# Altium PCB fmuvxX-baseT1.PcbDoc (part 5 of 5)
Units mm, origin at the board's own origin, x right, y up, seen from the top; angles counter-clockwise.
Board outline 88 x 47 mm, 6 copper layers (Top Layer, Layer 2, Signal Layer 3, Signal Layer 4, Layer 5, Bottom Layer), stack 1.548 mm thick; 363 components, 295 nets, 1451 pads, 844 vias.
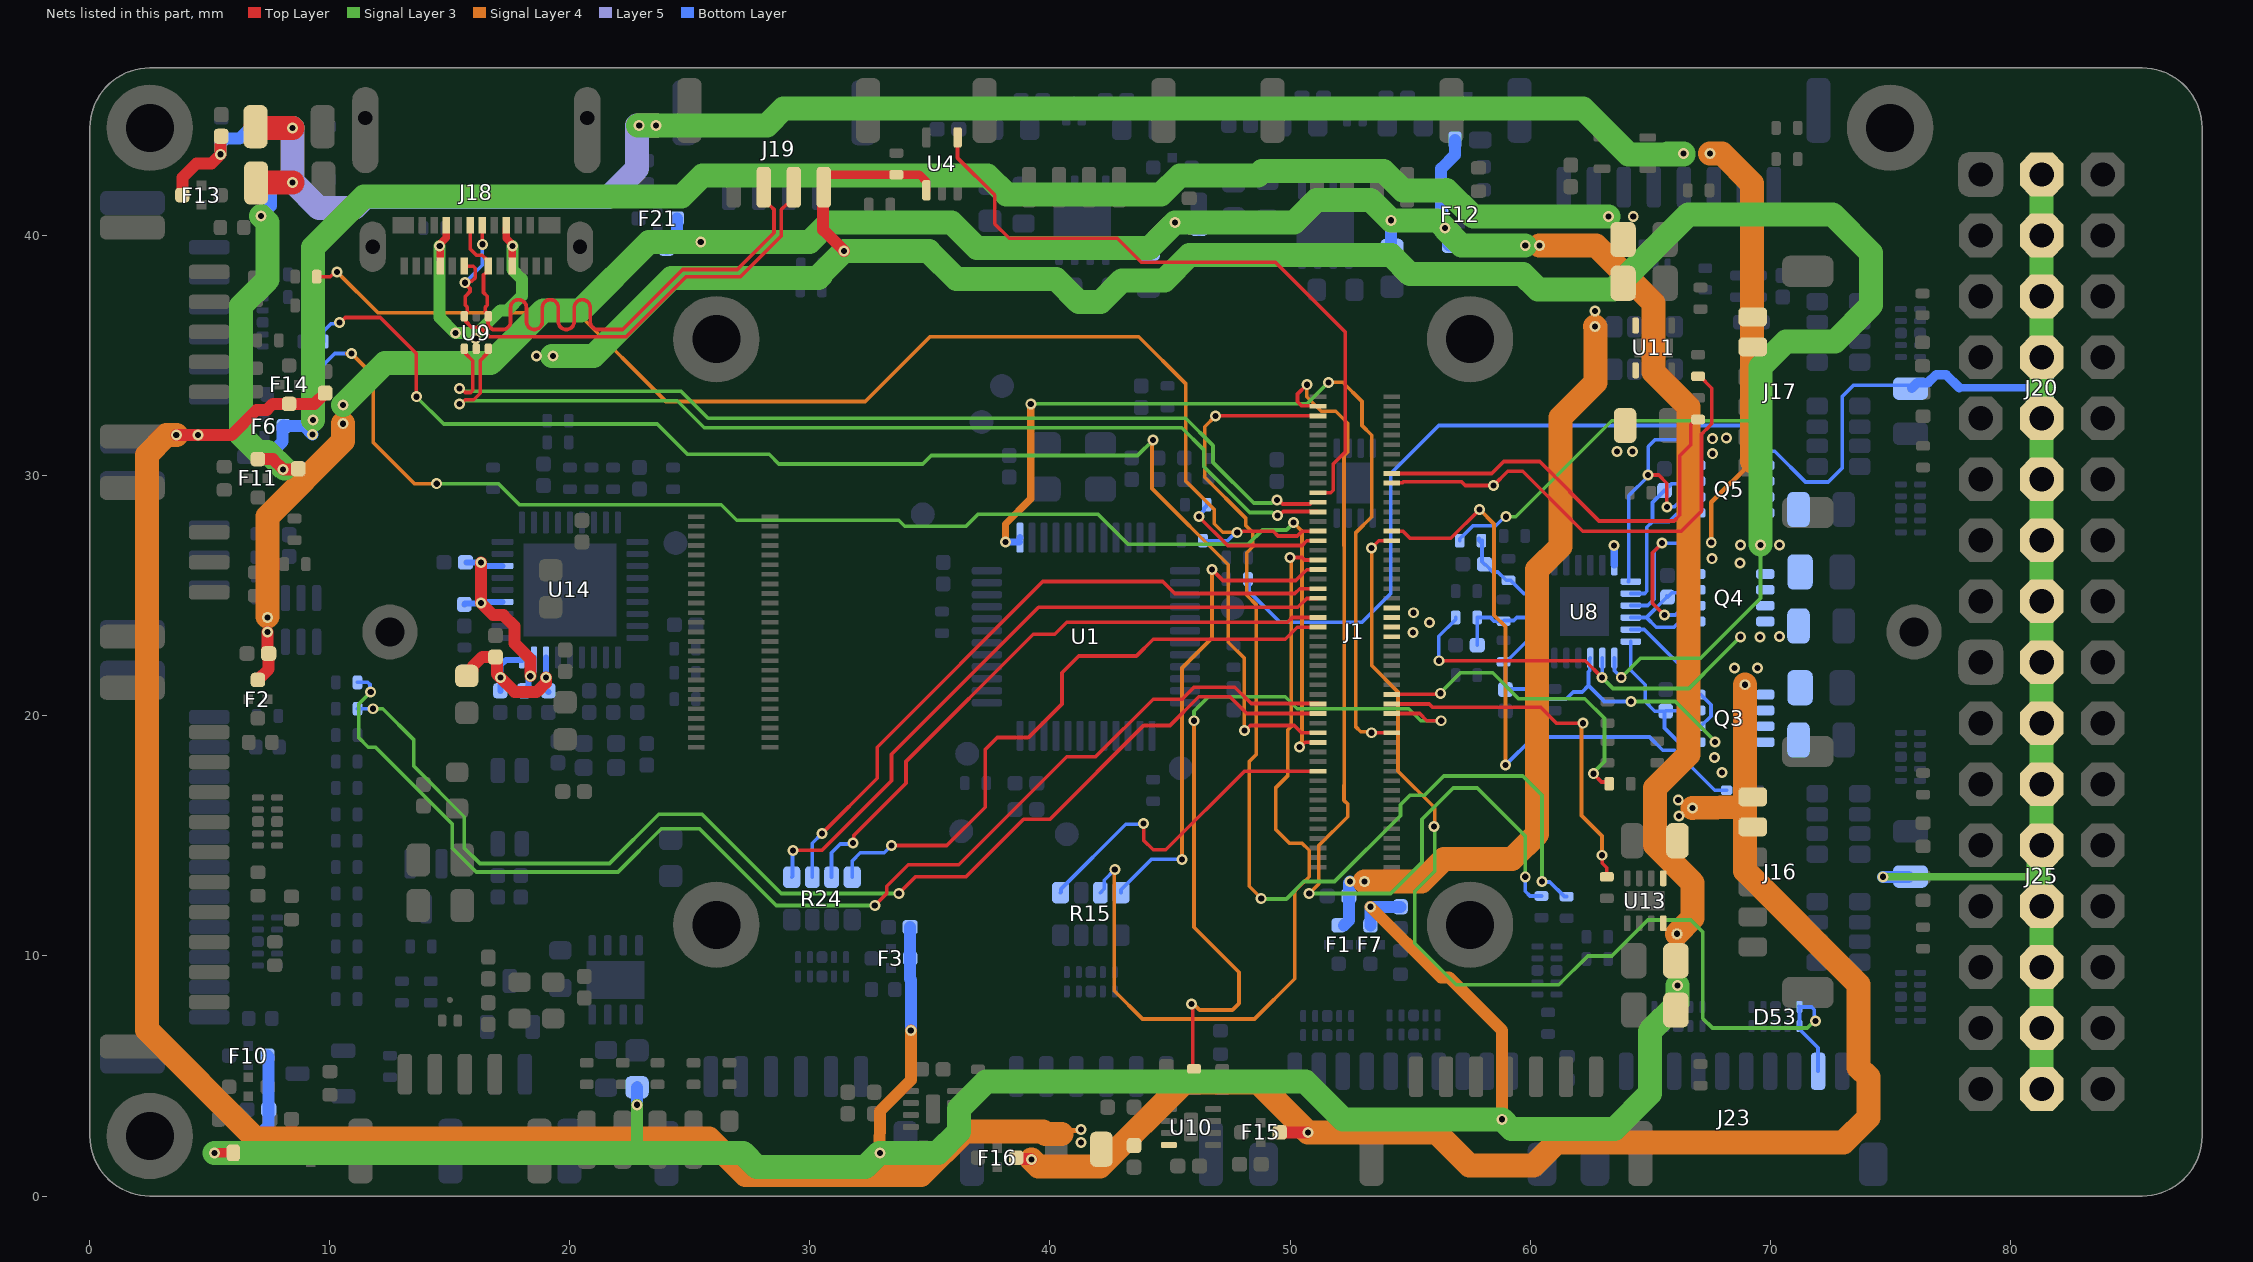
[diagram p9: the nets of this part, all layers, seen from the top]

## Via types
v1: diameter 0.457, hole 0.254, Top Layer to Bottom Layer, tented both sides, 788 vias
v2: diameter 0.65, hole 0.35, Top Layer to Bottom Layer, 56 vias

## Nets (pads, with @x,y where several pads share a name; then routed paths per layer and width w, separated by ;. In a path a pad name is that pad's centre, name@x,y a point inside that pad or via, vN(x,y) a via of type N, cw(c..) or ccw(c..) an arc to the next point about the centre after c; other vN are vias at no path point) (continued)
UART3_GPIO_RTS_TELEM1: J1.22 R15.5 | length 14.2
  Top Layer w0.152: v1(43.9,15.525) 43.9,14.825 44.3,14.425 44.825,14.425 48.1,17.7 J1.22@51.125,17.7
  Bottom Layer w0.152: R15.5@40.44,12.635 40.461,12.656 40.461,12.786 43.159,15.484 43.9,15.484 v1(43.9,15.525)
UART3_RX_TELEM1: J1.66 R15.7 | length 35
  Top Layer w0.152: v1(50,26.6) 50.5,26.6 50.6,26.5 J1.66@51.16,26.5
  Signal Layer 4 w0.152: v1(42.7,13.6) 42.675,13.575 42.675,8.55 43.85,7.375 48.525,7.375 50.2,9.05 50.2,12.7 50.8,13.3 50.8,14.4 50.5,14.7 49.975,14.7 49.4,15.275 49.4,17 49.9,17.5 49.9,19.4 50.05,19.55 v1@50.05,26.5
  Bottom Layer w0.152: R15.7@42.1,12.635 42.26,12.795 42.26,13.16 v1(42.7,13.6)
UART3_TX_TELEM1: J1.64 R15.8 | length 20.6
  Top Layer w0.152: v1(46.75,26.1) 47.207,25.643 50.243,25.643 50.696,26.096 51.156,26.096 J1.64@51.16,26.1
  Signal Layer 4 w0.152: v1(45.5,14.025) 45.5,22 46.75,23.25 v1(46.75,26.1)
  Bottom Layer w0.152: R15.8@42.96,12.635 42.96,12.76 44.225,14.025 v1(45.5,14.025)
UART4_CTS_TELEM2: J1.60 R24.6 | length 28
  Top Layer w0.152: v1(30.5,15.1) 32.8,17.4 32.8,18.7 39.7,25.6 44.7,25.6 45.2,25.1 50.2,25.1 50.4,25.3 J1.60@51.16,25.3
  Bottom Layer w0.152: R24.6@30.1,13.285 30.1,14.7 v1(30.5,15.1)
UART4_RTS_TELEM2: J1.58 R24.5 | length 28
  Top Layer w0.152: v1(29.3,14.4) 30.5,14.4 33.4,17.3 33.4,18.4 39.525,24.525 50.325,24.525 50.696,24.896 51.121,24.896 J1.58@51.125,24.9
  Bottom Layer w0.152: R24.5@29.24,13.285 29.27,13.315 29.27,14.37 v1(29.3,14.4)
UART4_RX_TELEM2: J1.54 R24.7 | length 26
  Top Layer w0.152: v1(31.8,14.7) 31.821,14.721 31.821,15.021 34,17.2 34,18.1 39.3,23.4 40.2,23.4 40.7,23.9 49.9,23.9 50.1,24.1 J1.54@51.16,24.1
  Bottom Layer w0.152: R24.7@30.9,13.285 30.9,14.3 31.267,14.667 31.767,14.667 v1(31.8,14.7)
UART4_TX_TELEM2: J1.52 R24.8 | length 26.3
  Top Layer w0.152: v1(33.4,14.6) 35.7,14.6 37.3,16.2 37.3,18.6 37.8,19.1 39.1,19.1 40.5,20.5 40.5,21.8 41.2,22.5 43.6,22.5 44.3,23.2 49.8,23.2 50.3,23.7 J1.52@51.16,23.7
  Bottom Layer w0.152: R24.8@31.76,13.285 31.76,13.96 32.1,14.3 33.1,14.3 v1(33.4,14.6)
UART5_RX: J1.96 R33.1 | length 45.3
  Top Layer w0.152: v1(46.9,32.5) J1.96@51.16,32.5
  Signal Layer 3 w0.152: v1(48.8,12.4) 48.825,12.375 49.849,12.375 50.574,13.1 51.857,13.1 54.6,15.843 54.6,16.3 55,16.7 55.6,16.7 56.4,17.5 59.7,17.5 60.5,16.7 v1(60.5,13.1)
  Signal Layer 4 w0.152: v1(46.9,32.5) 46.45,32.05 46.45,29.95 48.15,28.25 48.15,27.95 48.45,27.65 48.45,27.05 48.2,26.8 48.2,25.025 48.6,24.625 48.6,18.4 48.3,18.1 48.3,12.9 v1(48.8,12.4)
  Bottom Layer w0.152: v1(60.5,13.1) 60.516,13.084 60.826,13.084 61.435,12.475 R33.1@61.525,12.475
UART5_TX: J1.98 R32.1 | length 40.6
  Top Layer w0.152: v1(50.7,33.8) 50.312,33.412 50.312,33.088 50.476,32.924 51.136,32.924 J1.98@51.16,32.9
  Signal Layer 3 w0.152: v1(50.8,12.6) 54.2,12.6 55.5,13.9 55.5,15.7 56.8,17 57.8,17 59.8,15 v1(59.8,13.3)
  Signal Layer 4 w0.152: v1(50.7,33.8) 50.7,33.3 51.3,32.7 51.9,32.7 52.4,32.2 52.4,31 52.249,30.849 52.249,27.094 52.255,27.088 52.255,17.112 52.249,17.106 52.249,16.481 52.4,16.33 52.4,15.8 51.2,14.6 51.2,13 v1(50.8,12.6)
  Bottom Layer w0.152: v1(59.8,13.3) 59.8,12.7 60,12.5 R32.1@60.475,12.5
UART7_RX_DEBUG: D52.A J1.71 | length 26
  Top Layer w0.152: J1.71@54.24,27.7 54.244,27.696 54.704,27.696 55,27.4 56.7,27.4 v1(57.9,28.6)
  Signal Layer 4 w0.152: v1(57.9,28.6) 58.5,28 58.5,24.2 58.975,23.725 v1(58.975,17.955)
  Bottom Layer w0.152: v1(58.975,17.955) 58.98,17.955 60.15,19.125 64.975,19.125 65.525,18.575 66.025,18.575 67.695,16.905 D52.A@68.188,16.905
UART7_TX_DEBUG: D53.5 D53.6 J1.69 J23.2 | length 45.7
  Top Layer w0.152: v1(53.4,27) 53.7,27.3 J1.69@54.24,27.3
  Signal Layer 3 w0.152: v1(56,15.4) 56.025,15.375 56.025,13.525 55.2,12.7 55.2,10.528 56.928,8.8 61.2,8.8 62.4,10 63.4,10 64.9,11.5 66.7,11.5 67.2,11 67.2,7.4 67.6,7 71.553,7 71.853,7.3 v1(71.9,7.299)
  Signal Layer 4 w0.152: v1(53.4,27) 53.4,22.1 54.5,21 54.5,17.7 56.025,16.175 56.025,15.425 v1(56,15.4)
  Bottom Layer w0.152: D53.6@71.2,7.1 71.2,6.975 72,6.175 J23.2@72,5.197 ; D53.5@71.2,7.9 D53.5@71.225,7.875 ; D53.6@71.225,7.075 D53.5@71.225,7.875 ; v1(71.9,7.299) 71.844,7.356 71.844,7.756 71.8,7.8 71.725,7.875 D53.5@71.225,7.875
UART8_RX_GPS2: J1.30 R29.1 | length 56.2
  Top Layer w0.152: v1(10.4,36.4) 10.442,36.4 10.642,36.6 12.1,36.6 13.6,35.1 v1(13.6,33.3) ; v1(48.1,19.4) 48.142,19.4 48.342,19.6 50.175,19.6 50.475,19.3 J1.30@51.16,19.3
  Signal Layer 3 w0.152: v1(13.6,33.3) 14.739,32.161 23.639,32.161 24.9,30.9 28.3,30.9 28.7,30.5 34.7,30.5 35.05,30.85 43.65,30.85 v1(44.3,31.5)
  Signal Layer 4 w0.152: v1(44.3,31.5) 44.25,31.45 44.25,29.475 47.425,26.3 47.425,23.075 48.1,22.4 v1(48.1,19.4)
  Bottom Layer w0.152: R29.1@9.75,35.6 9.75,36.05 10.042,36.342 10.342,36.342 v1(10.4,36.4)
UART8_TX_GPS2: J1.28 R28.1 | length 57.3
  Top Layer w0.152: v1(50.4,18.7) 50.43,18.7 50.63,18.9 J1.28@51.16,18.9
  Signal Layer 3 w0.152: v1(14.45,29.675) 17.025,29.675 17.9,28.8 20.697,28.8 20.7,28.798 26.302,28.798 26.95,28.15 33.7,28.15 33.95,27.9 36.5,27.9 37,28.4 42,28.4 43.25,27.15 48.25,27.15 48.85,27.75 49.85,27.75 50.143,28.043 v1(50.143,28.06)
  Signal Layer 4 w0.152: v1@10.7,35.1 v1@10.8,35 ; v1(10.9,35.1) 11.8,34.2 11.8,31.4 13.525,29.675 v1(14.45,29.675) ; v1(50.143,28.06) 50.15,28.052 50.15,28.05 50.5,27.7 50.5,18.942 50.458,18.9 50.458,18.758 v1(50.4,18.7)
  Bottom Layer w0.152: R28.1@9.189,34.561 R28.1@9.15,34.6 9.6,34.6 9.7,34.6 10.2,35.1 v1@10.7,35.1
USART1_RX_GPS1: J1.34 R17.1 | length 50
  Top Layer w0.152: v1(33.7,12.6) 34.4,13.3 36.5,13.3 38.9,15.7 40,15.7 43.9,19.6 45,19.6 46.198,20.798 47.502,20.798 48.2,20.1 51.11,20.1 51.135,20.125 J1.34@51.16,20.1
  Signal Layer 3 w0.152: v1(11.8,20.3) 12.2,20.3 13.5,19 13.5,17.9 15.6,15.8 15.6,14.5 16.25,13.85 21.65,13.85 23.7,15.9 25.5,15.9 28.8,12.6 v1(33.7,12.6)
  Bottom Layer w0.152: R17.1@11.15,20.3 v1(11.8,20.3)
USART1_TX_GPS1: J1.36 R16.1 | length 52.2
  Top Layer w0.152: v1(32.7,12.1) 33.2,12.6 33.2,12.9 34.1,13.8 36.2,13.8 40.7,18.3 41.9,18.3 44.3,20.7 45.5,20.7 46,21.2 47.7,21.2 48.382,20.518 51.142,20.518 J1.36@51.16,20.5
  Signal Layer 3 w0.152: v1(11.7,21) 11.2,20.5 11.2,19.1 11.6,18.7 11.9,18.7 15.1,15.5 15.1,14.5 16.1,13.5 22,13.5 23.8,15.3 25.4,15.3 28.6,12.1 v1(32.7,12.1)
  Bottom Layer w0.152: R16.1@11.15,21.4 11.579,21.4 11.668,21.311 11.668,21.032 v1(11.7,21)
USART6_RX_FROM_IO__NC: J1.70 R5.2 | length 6.2
  Top Layer w0.152: v1(46.202,28.301) 47.404,27.1 50.5,27.1 50.696,27.296 51.146,27.296 J1.70@51.15,27.3
  Bottom Layer w0.152: v1(46.202,28.301) 46.202,28.344 46.416,28.558 46.416,28.641 R5.2@46.525,28.75 ; R5.2@46.525,28.8 R5.2@46.525,28.877
USART6_TX_FROM_IO__RC_INPUT: J1.72 R6.2 R59.1 | length 53
  Top Layer w0.152: R59.1@9.45,38.3 10.018,38.3 10.218,38.5 v1(10.3,38.5) ; v1(47.8,27.65) 47.846,27.696 49.304,27.696 49.5,27.5 50.3,27.5 50.5,27.7 J1.72@51.15,27.7
  Signal Layer 4 w0.152: v1(10.3,38.5) 12,36.8 20.3,36.8 24,33.1 32.3,33.1 35,35.8 43.7,35.8 45.65,33.85 45.65,29.8 46.845,28.605 46.845,28.005 47.2,27.65 v1(47.8,27.65)
  Bottom Layer w0.152: R6.2@46.375,27.377 46.452,27.3 47.396,27.3 47.746,27.65 v1(47.8,27.65)
USB_D_N: J1.78 U9.4 | length 40.8
  Top Layer w0.155: v1(15.4,33.65) 15.47,33.65 15.642,33.479 15.863,33.479 15.954,33.569 15.954,34.796 15.671,35.079 15.671,35.229 U9.4@15.6,35.3 ; v1(49.45,29) 49.52,29 49.692,28.828 50.838,28.828 50.91,28.9 J1.78@51.16,28.9
  Signal Layer 3 w0.152: v1(15.4,33.65) 15.482,33.65 15.611,33.522 24.635,33.522 25.757,32.4 45.657,32.4 46.794,31.263 46.794,30.563 48.485,28.872 49.239,28.872 49.368,29 v1(49.45,29)
USB_D_P: J1.76 U9.6 | length 41.3
  Top Layer w0.155: v1(15.4,33) 15.47,33 15.642,33.172 15.99,33.172 16.261,33.442 16.261,34.811 16.529,35.079 16.529,35.229 U9.6@16.6,35.3 ; v1(49.475,28.35) 49.545,28.35 49.717,28.521 51.125,28.521 J1.76@51.153,28.493
  Signal Layer 3 w0.152: v1(15.4,33) 15.482,33 15.611,33.128 24.472,33.128 25.594,32.006 45.494,32.006 46.4,31.1 46.4,30.4 48.322,28.478 49.264,28.478 49.393,28.35 v1(49.475,28.35)
USB_N: J18.A7 J18.B7 J19.2 U9.3 | length 23.3
  Top Layer w0.155: U9.3@15.6,36.6 15.671,36.529 15.671,36.429 15.902,36.198 16.247,36.198 16.652,35.793 17.79,35.793 21.913,35.793 22.327,35.793 24.827,38.293 27.1,38.293 28.807,40 28.807,41.094 29.01,41.297 29.108,41.297 29.325,41.514 J19.2@29.325,42.025 ; U9.3@15.6,36.65 15.6,36.726 15.723,36.849 15.723,37.032 15.644,37.111 15.644,37.489 15.835,37.68 15.835,37.808 15.625,38.018 v1(15.625,38.05) 15.683,38.108 15.908,38.108 16.051,38.251 16.051,38.649 15.96,38.74 J18.A7@15.6,38.74 ; v1@16.3,39.7 16.35,39.75 J18.B7@16.35,40.44
  Bottom Layer w0.155: v1(15.625,38.05) 16.35,38.775 v1(16.35,39.65)
USB_P: J18.A6 J18.B6 J19.3 U9.1 | length 26.1
  Top Layer w0.155: J18.B6@15.85,40.44 15.85,39.45 16.106,39.194 16.346,39.194 16.54,39 J18.A6@16.6,39 ; J18.A6@16.6,38.74 16.6,38.54 16.527,38.467 16.491,38.467 16.4,38.377 16.4,37.645 16.556,37.489 16.556,37.111 16.477,37.032 16.477,36.849 16.6,36.726 U9.1@16.6,36.65 16.588,36.638 16.588,36.291 16.621,36.258 16.779,36.1 17.195,36.1 ccw(c17.195,36.431) 17.526,36.431 17.526,37.012 cw(c17.858,37.012) 18.189,37.012 18.189,36.431 ccw(c18.521,36.431) 18.852,36.431 18.852,37.012 cw(c19.184,37.012) 19.515,37.012 19.515,36.431 ccw(c19.847,36.431) 20.178,36.431 20.178,37.012 cw(c20.51,37.012) 20.841,37.012 20.841,36.431 ccw(c21.173,36.431) 21.173,36.1 21.913,36.1 22.2,36.1 24.7,38.6 26.973,38.6 28.5,40.127 28.5,41.1 28.347,41.253 28.337,41.253 28.075,41.514 J19.3@28.075,42.025
UV1: C39.1 R65.2 R69.1 U8.1 | length 4.1
  Bottom Layer w0.152: R69.1@58.9,22.25 58.903,22.25 58.975,22.178 C39.1@58.975,21.1 59,21.125 R65.2@60.125,21.125 ; R69.1@58.925,22.275 59.025,22.275 59.819,23.069 60.299,23.069 U8.1@60.33,23.1
UV2: C40.1 R66.2 R70.1 U8.3 | length 3.8
  Bottom Layer w0.152: C40.1@57.8,22.95 R66.2@57.8,24.1 58.35,24.1 58.5,23.95 R70.1@58.9,23.95 ; R70.1@58.925,23.975 59.325,23.975 59.45,24.1 U8.3@60.33,24.1
UV3: C41.1 R67.2 R71.1 U8.5 | length 4
  Bottom Layer w0.152: R67.2@57.875,27.4 57.875,27.3 R67.2@57.975,27.2 ; R67.2@58,27.325 58,26.425 C41.1@58.1,26.325 ; C41.1@58.125,26.3 58.15,26.3 58.45,26 58.66,26 59.01,25.65 R71.1@59.1,25.65 59.19,25.65 59.74,25.1 U8.5@60.33,25.1 U8.5@60.35,25.1
V_RTC_BAT: J1.29 U1.1 | length 36.9
  Top Layer w0.152: v1(53.4,19.3) J1.29@54.24,19.3
  Signal Layer 3 w0.152: v1(39.2,33) 50.7,33 v1(51.6,33.9)
  Signal Layer 4 w0.152: v1(51.6,33.9) 52.2,33.9 53,33.1 53,32.1 53.4,31.7 53.4,28.3 52.745,27.645 52.745,19.537 52.943,19.34 53.36,19.34 v1(53.4,19.3)
  Signal Layer 4 w0.3: v1(38.15,27.25) 38.15,28 39.2,29.05 v1(39.2,33)
  Bottom Layer w0.3: v1(38.15,27.25) U1.1@38.725,27.25 ; U1.1@38.75,27.43 U1.1@38.753,27.428
VBUS: C37.1 J18.A4 J18.A9 J18.B4 J18.B9 J19.1 Q5.7 Q5.8 R46.1 R67.1 U4.1 U8.19 U9.5 | length 121.3
  Top Layer w0.152: U9.5@16.1,35.3 16.087,35.312 16.087,35.687 v1@16.1,35.7
  Top Layer w0.3: J18.A9@14.6,39 14.6,39.675 14.85,39.925 J18.B4@14.85,40.3 ; J18.B9@17.35,40.3 17.35,39.9 17.6,39.65 v1(17.6,39.575) J18.A4@17.6,39.05
  Top Layer w0.35: J19.1@30.6,42.4 30.6,42.45 30.7,42.55 R46.1@33.6,42.55 34.557,42.55 34.85,42.257 U4.1@34.85,41.9
  Top Layer w0.5: J19.1@30.55,41.525 30.55,40.25 v1(31.425,39.375)
  Signal Layer 3 w0.152: v1(59,28.3) 59.4,28.3 63.4,32.3 69.6,32.3 ; v1(63.8,21.6) 64.6,22.4 67.1,22.4 69.6,24.9 v1@69.6,27.1
  Signal Layer 3 w0.5: v1(14.575,39.575) 14.575,36.6 v1(15.225,35.95) v1@16.075,35.95 ; 16.15,35.95 17.1,36.9 17.4,36.9 18,37.5 18,38.2 17.6,38.6 v1(17.6,39.575)
  Signal Layer 3 w1: v1@19.262,35 20.975,35 24.225,38.25 30.3,38.25 ; 30.45,38.35 30.35,38.25 30.3,38.25 ; 34.95,39.35 36.1,38.2 40.25,38.2 41.2,37.25 42.1,37.25 43,38.15 44.773,38.15 45.82,39.197 54.203,39.197 54.998,38.402 59.698,38.402 60.325,37.775 63.475,37.775 66.6,40.9 72.6,40.9 74.211,39.289 74.211,37.111 72.7,35.6 70.671,35.6 69.609,34.538 69.609,32.3 v1@69.609,27.134 ; 34.95,39.375 v1(31.425,39.375) 30.3,38.25
  Bottom Layer w0.152: R67.1@57.075,27.3 57.075,27.377 57.212,27.514 57.214,27.514 57.625,27.925 58.574,27.925 58.949,28.3 v1(59,28.3) ; U8.19@63.515,22.415 63.521,22.409 63.521,21.879 v1(63.8,21.6)
  other v1: 68.774,27.125 69.6,27.125 70.4,27.125 18.6,35 19.3,35 16.075,35.725
VBUS_SENSE: J1.80 U4.4 | length 28.2
  Top Layer w0.152: U4.4@36.15,44.1 36.15,43.25 37.7,41.7 37.7,40.5 38.3,39.9 42.8,39.9 43.8,38.9 49.4,38.9 52.3,36 52.3,31 51.8,30.5 51.8,29.4 51.7,29.3 J1.80@51.16,29.3
VDD_3V3_SPEKTRUM: C30.1 C45.1 C46.1 F14.1 U10.8 | length 74.7
  Top Layer w0.5: v1(3.6,31.7) v1(4.5,31.7) 5.9,31.7 6.95,32.75 7.375,32.75 7.625,33 F14.1@8.3,33 9.36,33 9.81,33.45 C30.1@9.8,33.45
  Signal Layer 4 w0.2: 40.475,2.575 40.625,2.725 v1@41.3,2.725
  Signal Layer 4 w1: v1(3.6,31.7) 3.2,31.7 2.375,30.875 2.375,6.925 6.9,2.4 25.8,2.4 27.319,0.881 34.631,0.881 36.427,2.677 39.702,2.677 39.805,2.575 40.475,2.575
  other v1: 41.3,2.225 41.3,2.775
VDD_3V3_SPEKTRUM_POWER_EN: J1.33 R76.1 | length 31
  Top Layer w0.152: v1(45.9,8) 45.95,7.95 45.95,5.35 R76.1@46,5.3 ; J1.33@54.24,20.1 55.4,20.1 55.7,19.8 v1(56.3,19.8)
  Signal Layer 3 w0.152: v1(46,19.8) 46,20.2 46.6,20.8 49.8,20.8 50.3,20.3 54.943,20.3 55.443,19.8 v1(56.3,19.8)
  Signal Layer 4 w0.152: v1(45.9,8) 45.982,8 46.232,7.75 47.6,7.75 47.875,8.025 47.875,9.325 46,11.2 v1(46,19.8)
VDD_5V_BRICK1: C31.1 J16.1 J16.2 Q3.7 Q3.8 R65.1 U8.21 | length 10.2
  Signal Layer 3 w0.152: v1(64.2,20.6) 66.05,20.6 v1@67.675,18.975
  Bottom Layer w0.152: R65.1@60.075,20.225 60.549,20.699 61.499,20.699 61.8,21 62.171,21 62.436,21.264 ; U8.21@62.515,22.415 62.492,22.392 62.492,21.896 62.436,21.839 62.436,21.264 ; v1(64.2,20.6) 63.1,20.6 62.436,21.264
  other v1: 68.004,17.645 67.679,18.27 67.704,18.92
VDD_5V_BRICK2: C35.1 J17.1 J17.2 Q4.7 Q4.8 R66.1 U8.20 | length 17
  Top Layer w0.152: v1(56.2,22.3) 62.3,22.3 v1(63,21.6)
  Signal Layer 3 w0.152: v1(63,21.6) 63.455,21.145 66.618,21.145 67.886,22.414 v1@68.773,23.3
  Bottom Layer w0.152: v1(56.2,22.3) 56.2,23.323 56.9,24.023 R66.1@56.9,24.1 ; v1(63,21.6) v1@63,21.65 ; v1@63.015,21.51 U8.20@63.015,22.415
  other v1: 68.774,23.299 69.572,23.288 70.4,23.304
VDD_5V_HIPOWER: C10.1 C15.1 C50.1 C51.1 F1.1 F6.1 U11.8 | length 99
  Signal Layer 3 w1: v1(9.3,32.325) 9.3,39.516 11.426,41.642 24.642,41.642 25.52,42.52 37.4,42.52 38.187,41.733 44.633,41.733 45.42,42.52 48.663,42.52 48.843,42.7 53.9,42.7 54.7,41.9 56.5,41.9 ; 56.519,41.919 57.638,40.8 v1(63.275,40.8)
  Signal Layer 4 w1: v1(53.1,13.1) 55.475,13.1 56.413,14.038 59.248,14.038 60.3,15.09 60.3,26.1 61.263,27.063 61.263,32.438 62.725,33.9 62.725,36.205 v1(62.703,36.227)
  Bottom Layer w0.5: C15.1@7.35,30.8 7.4,30.8 8.025,31.425 8.025,32.05 F6.1@8.075,32.1 ; F6.1@8.075,32.075 8.925,32.075 v1(9.275,31.725) ; F1.1@52.25,11.275 52.45,11.475 C10.1@52.45,12.5 52.45,13.05 v1(52.5,13.1)
  other v1: 62.7,36.875 64.3,40.8
VDD_5V_HIPOWER_nEN: J1.81 R80.2 | length 20.7
  Top Layer w0.152: J1.81@54.24,29.7 54.259,29.719 54.69,29.719 54.721,29.75 57.15,29.75 57.3,29.6 v1(58.475,29.6) 59.075,30.2 59.7,30.2 62.2,27.7 66.3,27.7 67.143,28.543 67.143,31.739 67.325,31.921 67.326,31.921 67.575,32.17 67.575,33.652 67.077,34.15 R80.2@67,34.15
VDD_5V_HIPOWER_nOC: J1.83 R79.2 | length 17.7
  Top Layer w0.152: J1.83@54.24,30.1 58.4,30.1 58.9,30.6 60.4,30.6 62.875,28.125 65.997,28.125 66.236,28.364 66.236,30.836 66.7,31.3 66.7,32.127 66.923,32.35 R79.2@67,32.35
VDD_5V_IN: C32.1 C33.1 C49.1 C57.1 F15.1 F16.1 F17.1 F18.1 J1.49 J1.51 J1.53 J1.55 Q3.5 Q3.6 Q4.5 Q4.6 Q5.5 Q5.6 U8.12 U11.1 U13.1 | length 150.3
  Top Layer w0.5: F16.1@38.6,1.6 38.65,1.55 39.2,1.55 v1(39.225,1.525) ; F15.1@49.575,2.65 v1@50.725,2.65
  Top Layer w1: F18.1@6.9,44.55 6.9,44.5 v1(8.45,44.5) ; F17.1@6.975,42.225 v1(8.45,42.225)
  Signal Layer 3 w1: v1@22.844,44.6 28.2,44.6 28.9,45.3 57.7,45.3 62.2,45.3 64.1,43.4 65.7,43.4 ; v1@66.4,43.4 65.7,43.4 ; v1(66.4,43.425) 65.725,43.425 65.7,43.4
  Signal Layer 4 w0.2: v1(67.55,27.225) 67.55,28.9 69.25,30.6
  Signal Layer 4 w1: v1(39.225,1.525) 39.525,1.225 42.083,1.225 45.592,4.734 48.666,4.734 v1(50.75,2.65) 56.1,2.65 57.475,1.275 60.15,1.275 61.1,2.225 73.05,2.225 74.1,3.275 74.1,4.952 73.691,5.361 73.691,8.809 68.95,13.55 68.95,16.198 ; v1(66.775,16.173) 68.95,16.198 ; v1(67.5,43.425) 68,43.425 69.25,42.175 69.25,30.6 ; v1(68.95,21.3) 68.95,16.198
  Layer 5 w1: v1(8.45,42.225) v1(8.45,44.5) ; v1@8.5,42.2 9.546,41.154 11.003,41.154 11.46,41.611 21.611,41.611 22.798,42.798 v1@22.798,44.601 ; v1@22.8,44.6 v1@23.597,44.6
  Bottom Layer w0.3: v1(63.5,27.1) 63.508,27.092 63.508,26.293 U8.12@63.515,26.285
  other v1: 66.2,15.825 66.175,16.5 68.525,22 69.475,22 55.125,23.475 55.809,23.895 55.15,24.3 68.75,26.37 67.575,26.55 67.6,30.925 63.625,31.025 64.275,31.025 67.6,31.55 68.175,31.575 22.887,44.601 23.587,44.601
VDD_5V_PERIPH: C11.1 C12.1 C16.1 C21.1 C27.1 C58.1 C59.1 C79.1 D16.A D17.A D60.A F2.1 F3.1 F7.1 F10.1 F12.1 F21.1 FB4.1 FB6.1 FB8.1 U13.8 | length 212.6
  Top Layer w0.4: v1(5.2,1.8) D17.A@5.975,1.8
  Top Layer w0.5: F2.1@7,21.5 7.45,21.95 C11.1@7.45,22.6 7.4,22.65 v1(7.4,23.5)
  Signal Layer 3 w0.5: 22.8,1.8 v1(22.8,3.8)
  Signal Layer 3 w1: v1(5.2,1.8) 22.8,1.8 27.2,1.8 27.8,1.2 32.3,1.2 32.9,1.8 v1(32.925,1.8) 35.325,1.8 36.213,2.688 36.2,2.7 36.2,3.632 37.329,4.762 50.638,4.762 52.204,3.196 v1(58.832,3.196) 59.234,2.794 63.519,2.794 64.989,4.264 64.989,6.864 66.15,8.025 v1(66.15,8.775) ; v1(10.55,32.95) 12.3,34.7 16.7,34.7 18.9,36.9 20.45,36.9 23.3,39.75 v1(25.45,39.75) 29.975,39.75 30.786,40.561 35.9,40.561 36.961,39.5 44.153,39.5 v1(45.214,40.561) 50.161,40.561 51.1,41.5 53.362,41.5 v1(54.212,40.65) 56.125,40.65 v1(56.45,40.325) 56.45,40.3 57.15,39.6 v1(59.8,39.6)
  Signal Layer 4 w0.5: v1@32.9,1.8 32.922,3.347 32.925,3.55 33.068,3.693 34.2,4.825 v1(34.2,6.9) ; v1(53.35,12.05) 56.296,9.104 56.631,9.104 58.832,6.903 v1(58.832,3.196)
  Signal Layer 4 w1: v1@7.4,24.15 7.4,28.3 10.55,31.45 v1(10.55,32.175) ; v1(60.4,39.6) 62.75,39.6 65.15,37.2 65.15,34.325 66.6,32.875 66.6,18.4 65.2,17 65.2,14.625 66.775,13.05 66.775,11.575 v1(66.125,10.925)
  Bottom Layer w0.4: FB6.1@22.8,4.53 FB6.1@22.8,4.6
  Bottom Layer w0.5: v1(5.2,1.8) 6.3,1.8 7.45,2.95 C21.1@7.45,3.6 7.45,5.8 F10.1@7.4,5.85 ; v1(22.8,3.8) FB6.1@22.8,4.53 ; C79.1@24.025,39.475 24.035,39.475 24.09,39.53 24.09,39.54 24.475,39.925 24.475,39.977 25.223,39.977 v1(25.45,39.75) ; 24.457,39.977 F21.1@24.457,40.727 ; C12.1@34.175,11.2 34.175,9.925 34.175,9.039 34.215,8.999 34.215,6.915 v1(34.2,6.9) ; FB4.1@44.1,39.42 44.343,39.663 44.343,40.043 44.852,40.552 45.205,40.552 v1(45.214,40.561) 45.225,40.55 45.55,40.55 45.8,40.3 46.175,40.3 D16.A@46.2,40.275 ; F7.1@53.35,11.275 v1(53.35,12.05) C16.1@54.6,12.05 ; v1@54.2,40.623 54.2,39.47 FB8.1@54.25,39.42 ; C27.1@56.65,39.6 56.64,39.6 56.585,39.655 56.585,40.049 56.45,40.184 v1(56.45,40.325) 56.35,40.425 56.35,40.85 F12.1@56.3,40.9 56.3,42.8 56.875,43.375 D60.A@56.875,44
  other v1: 7.4,24.1
VDD_5V_PERIPH_nEN: J1.35 R85.2 | length 15.1
  Top Layer w0.152: J1.35@54.24,20.5 55.8,20.5 55.939,20.361 60.439,20.361 61.1,19.7 v1@62.2,19.7 ; v1@63,14.2 63.009,14.191 63.009,13.863 63.2,13.672 R85.2@63.2,13.3
  Signal Layer 4 w0.152: v1(62.201,19.697) 62.145,19.641 62.145,15.855 63.001,14.999 63.001,14.201 v1@63,14.2
  other v1: 63.001,14.197
VDD_5V_PERIPH_nOC: J1.37 R84.2 | length 13.4
  Top Layer w0.152: J1.37@54.24,20.9 56.226,20.9 v1(56.271,20.945) ; v1(62.65,17.593) 62.65,17.575 62.975,17.25 R84.2@63.325,17.25
  Signal Layer 3 w0.152: v1(56.271,20.945) 56.271,20.971 57.1,21.8 58.443,21.8 59.521,20.721 62.279,20.721 63.1,19.9 63.1,18.1 v1@62.6,17.6
VDD_5V_PPM_RC: C24.1 C60.1 D41.C F11.1 | length 16.3
  Top Layer w0.5: F11.1@7,30.7 7.625,30.7 v1(8.05,30.275) 8.053,30.272 8.647,30.272 C24.1@8.675,30.3
  Signal Layer 3 w1: v1(7.125,40.825) 7.4,40.55 7.4,38.175 6.3,37.075 6.3,31.7 7,31 7.4,31 v1@8.1,30.3
  Bottom Layer w0.5: v1(7.125,40.825) 7.55,41.25 D41.C@7.55,42.34 ; v1(8.05,30.275) 8.65,30.275 C60.1@8.675,30.3
VDD_5V_SBUS_RC: C28.1 C61.1 D42.C F13.1 | length 6.3
  Top Layer w0.5: F13.1@3.85,41.7 3.85,42.425 4.45,43.025 5.075,43.025 v1(5.45,43.4) 5.45,44.125 C28.1@5.475,44.15
  Bottom Layer w0.5: v1(5.45,43.4) 5.45,43.925 5.525,44 C61.1@5.475,44.05 6.225,44.05 6.725,44.55 D42.C@7.39,44.55
VDD_SERVO: C62.1 C63.1 J20.1B J20.2B J20.3B J20.4B J20.5B J20.6B J20.7B J20.8B J25.1B J25.2B J25.3B J25.4B J25.5B J25.6B J25.7B J25.8B R4.1 | length 93.6
  Signal Layer 3 w0.3: v1(74.7,13.3) 81.125,13.3 81.175,13.35
  Signal Layer 3 w1: J25.8B@81.3,4.475 81.318,4.493 J25.7B@81.318,6.998 J25.6B@81.318,9.538 J25.5B@81.318,12.078 ; J25.4B@81.318,14.618 J25.3B@81.318,17.158 J25.2B@81.318,19.698 J25.1B@81.318,22.238 81.318,42.543 J20.1B@81.325,42.55 ; J25.5B@81.325,12.1 81.325,12.731 81.175,12.881 81.175,13.35 81.175,13.844 81.325,13.994 J25.4B@81.325,14.625
  Bottom Layer w0.152: R4.1@48.25,25.7 48.289,25.661 48.289,25.189 49.578,23.9 53,23.9 54.2,25.1 54.2,30.1 56.2,32.1 68.8,32.1 69.875,31.025 70.2,31.025 71.475,29.75 72.425,29.75 73,30.325 73,33.3 73.475,33.775 75.775,33.775 C62.1@75.9,33.65
  Bottom Layer w0.305: 77.875,33.675 81.325,33.675
  Bottom Layer w0.4: C62.1@75.9,33.65 76.135,33.885 76.585,33.885 76.915,34.215 77.335,34.215 77.875,33.675
  Bottom Layer w0.5: v1(74.7,13.3) C63.1@75.76,13.3
  Bottom Layer w1: J25.4B@81.3,14.61 J25.4B@81.325,14.635 ; J20.5B@81.325,32.375 81.325,33.675 J20.4B@81.325,34.905
VG1: Q3.2 Q3.4 U8.17 | length 6.3
  Bottom Layer w0.152: U8.17@64.2,23.6 64.756,23.6 66.8,21.556 Q3.4@66.8,20.9 ; Q3.2@66.815,19.57 67.113,19.57 67.536,19.993 67.536,20.467 67.103,20.9 Q3.4@66.9,20.9
VG2: Q4.2 Q4.4 U8.15 | length 10.6
  Top Layer w0.152: v1(65.5,27.2) 65.1,26.8 65.1,24.7 v1(65.6,24.2)
  Bottom Layer w0.152: U8.15@64.2,24.6 64.9,24.6 65.167,24.867 65.167,26.867 v1(65.5,27.2) 66.3,27.2 66.7,26.8 Q4.4@66.7,25.9 ; v1(65.6,24.2) 65.607,24.207 66.057,24.207 66.334,24.484 66.704,24.484 Q4.2@66.815,24.595
VG3: Q5.2 Q5.4 U8.13 | length 11.7
  Top Layer w0.152: v1(64.921,30.04) 65.36,30.04 65.7,29.7 v1@65.7,28.8
  Bottom Layer w0.152: U8.13@64.1,25.6 64.112,25.612 64.112,29.181 64.921,29.99 v1(64.921,30.04) ; v1@64.9,30.1 64.921,30.121 64.921,31.221 65.2,31.5 66.3,31.5 66.8,31 Q5.4@66.8,30.5 ; v1(65.7,28.7) 65.72,28.72 66.022,28.72 66.311,29.009 66.704,29.009 Q5.2@66.815,29.12
VREGA_IN: C64.1 C65.1 C66.1 FB2.2 U14.7 U14.9 | length 8.7
  Top Layer w0.5: FB2.2@15.7,21.67 15.72,21.67 15.935,21.885 15.935,22.045 16.349,22.46 16.89,22.46 16.955,22.395 16.955,21.745 v1(17.1,21.6) 17.695,21.005 18.617,21.005 18.702,21.09 18.71,21.09 19,21.381 v1(19,21.6)
  Bottom Layer w0.25: C66.1@17.1,21.05 v1(17.1,21.6) 17.1,22.1 17.34,22.34 17.993,22.34 18,22.347 U14.9@18,22.44 ; v1(19,21.6) v1@19.007,21.6 ; U14.7@19,22.44 19,22.34 19.007,22.333 v1@19.007,21.6 ; C65.1@19.1,21 19.007,21.093 v1@19.007,21.6
VREGA_OUT: C67.1 C68.1 C75.1 U14.8 U14.13 U14.16 | length 10.6
  Top Layer w0.5: v1(16.299,26.398) 16.3,26.396 v1(16.3,24.7) 16.8,24.2 17.229,24.2 17.689,23.74 17.689,23.028 18.347,22.37 v1(18.347,21.655)
  Bottom Layer w0.25: C67.1@15.6,24.65 15.625,24.675 16.275,24.675 v1(16.3,24.7) 16.356,24.7 16.399,24.743 17.183,24.743 U14.13@17.19,24.75 ; C68.1@15.7,26.388 16.364,26.388 16.495,26.257 17.183,26.257 U14.16@17.19,26.25 ; C75.1@18.1,21.05 18.265,21.215 18.265,21.517 18.308,21.56 18.308,21.648 18.3,21.656 18.493,21.849 18.493,22.433 U14.8@18.5,22.44
VS1: C34.1 Q3.1 Q3.3 U8.18 | length 7
  Bottom Layer w0.152: U8.18@64.2,23.1 64.2,21.9 64.8,21.3 64.8,20.6 65.2,20.2 65.6,20.2 65.6,19.5 66.181,18.919 66.806,18.919 Q3.1@66.815,18.91 ; C34.1@65.65,20.2 65.665,20.215 66.785,20.215 Q3.3@66.8,20.2
VS2: C36.1 Q4.1 Q4.3 U8.16 | length 5.3
  Bottom Layer w0.152: U8.16@64.2,24.1 64.855,24.1 ; C36.1@65.7,25 65.7,24.945 64.855,24.1 ; C36.1@65.725,24.95 65.911,25.136 66.389,25.136 66.554,25.3 Q4.3@66.8,25.3 ; Q4.1@66.8,23.9 66.2,23.9 66,23.7 65.255,23.7 64.855,24.1
VS3: C38.1 Q5.1 Q5.3 U8.14 | length 8.4
  Bottom Layer w0.152: U8.14@64.2,25.1 64.773,25.1 64.864,25.192 64.864,27.864 65.1,28.1 ; Q5.1@66.8,28.4 66.1,28.4 65.8,28.1 65.1,28.1 ; Q5.3@66.8,29.8 66.681,29.681 65.91,29.681 65.63,29.4 C38.1@65.6,29.4 65.6,29.39 65.1,28.89 65.1,28.1
pads on no net: D2.1 D2.10 D27.1 D27.5 D27.6 D27.10 D54.2 D54.9 J1.40 J1.42 J1.46 J1.48 J2.3 J11.6 J11.9 J13.1 J18.A2 J18.A3 J18.A8 J18.A10 J18.A11 J18.B2 J18.B3 J18.B8 J18.B10 J18.B11 J22.16 J22.18 J22.20 J22.22 J22.24 J22.26 J22.28 J22.30 J22.32 J22.34 J22.36 J22.38 J22.43 J22.44 J22.45 J22.50 J23.8 U8.11 U8.22 U8.23 U11.3 U12.8 U13.3 U14.12 U14.26 U14.33 U14.34

## Polygon pours and split planes (outlines as drawn)
VDD_5V_IN on Signal Layer 3 "VDD_5V_IN_L03_P198" (solid, remove dead copper, pour order 198): 68.259,31.975 68.95,31.284 68.95,28.696 68.3,28.062 68.3,27.118 69.2,26.336 69.2,25.054 66.957,22.7 55.763,22.7 54.75,23.207 54.75,24.6 56.651,25.526 63.1,31.975
VDD_5V_PERIPH on Signal Layer 3 "VDD_5V_PERIPH_L03_P225" (solid, remove dead copper, pour order 225): 65.65,11.2 66.65,11.2 66.65,8.25 65.65,8.25
VBUS on Signal Layer 3 "VBUS_L03_P220" (solid, remove dead copper, pour order 220): 18.213,35.5 18.213,34.5 19.787,34.5 19.787,35.5
VBUS on Signal Layer 3 "Signal Layer 3-VBUS" (solid, pour order 188): 14.85,35.8 15.195,35.455 16.255,35.455 16.5,35.7 16.5,36.35 14.85,36.35
VDD_5V_HIPOWER on Signal Layer 3 "VDD_5V_HIPOWER_L03_P202" (solid, remove dead copper, pour order 202): 64.409,41.291 64.6,41.1 64.6,40.496 64.404,40.308 62.6,40.308 62.6,41.291
VBUS on Signal Layer 3 "VBUS_L03_P210" (solid, remove dead copper, pour order 210): 68.5,28.065 69.368,28.8 69.9,28.8 70.669,28.031 70.669,27.015 70.504,26.85 68.693,26.85 68.5,27.006
VDD_5V_PERIPH on Signal Layer 3 "VDD_5V_PERIPH_L03_P266" (solid, remove dead copper, pour order 266): 60.725,40.1 60.725,39.1 59.475,39.1 59.475,40.1
VDD_5V_HIPOWER on Signal Layer 3 "VDD_5V_HIPOWER_L03_P208" (solid, remove dead copper, pour order 208): 9.8,32.75 9.8,31.375 8.8,31.375 8.8,32.75
VDD_5V_PERIPH on Signal Layer 3 "VDD_5V_PERIPH_L03_P206" (solid, remove dead copper, pour order 206): 10.05,33.05 10.4,33.391 11.05,33.391 11.05,31.716 10.05,31.716
VDD_5V_IN on Signal Layer 3 "VDD_5V_IN_L03_P199" (solid, remove dead copper, pour order 199): 65.975,43.925 67.875,43.925 67.875,42.925 65.975,42.925
GND on Bottom Layer "GND_L06_P274" (solid, pour order 274): 0,47 0,0 88,0 88,47
VDD_5V_IN on Bottom Layer "VDD_5V_IN_L06_P247" (solid, remove dead copper, pour order 247): 71.65,20.025 67.25,20.025 67.25,30.65 67.025,30.875 67.025,31.725 67.225,31.925 68.775,31.925 70.05,30.65 70.05,29.325 67.875,29.325 67.875,27.133 69.16,26.75 71.65,26.75 71.65,24.975 67.969,24.975 67.969,22.791 68.275,22.6 71.65,22.6
IO_VDD_3V3 on Bottom Layer "IO_VDD_3V3_L06_P224" (solid, remove dead copper, pour order 224): 45.1,20.7 47.95,20.7 47.95,19.35 46.85,19.35 45.8,20.4 45.1,20.4
VDD_5V_IN on Bottom Layer "VDD_5V_IN_L06_P254" (solid, remove dead copper, pour order 254): 54,26.95 54.5,26.95 54.5,25.85 54.475,25.825 54,25.825
VDD_5V_BRICK1 on Bottom Layer "VDD_5V_BRICK1_L06_P249" (solid, remove dead copper, pour order 249): 67.425,19.775 71.65,19.775 71.65,18.25 70.325,17.225 67.425,17.225
VDD_5V_PERIPH on Bottom Layer "Bottom Layer-VDD_5V_PERIPH" (solid, pour order 256): 6.9,24.4 7.9,24.4 7.9,23.2 6.9,23.2
IO_VDD_3V3 on Bottom Layer "IO_VDD_3V3_L06_P221" (solid, remove dead copper, pour order 221): 35.25,25.9 38.1,25.9 38.1,27 35.25,27
VBUS on Bottom Layer "VBUS_L06_P246" (solid, remove dead copper, pour order 246): 67.95,29.325 71.65,29.325 71.65,27.825 70.617,26.925 68.919,26.925 67.95,27.229
VDD_5V_BRICK2 on Bottom Layer "VDD_5V_BRICK2_L06_P248" (solid, remove dead copper, pour order 248): 68,24.8 71.65,24.8 71.65,23.025 68,23.025
VDD_5V_PERIPH on Bottom Layer "VDD_5V_PERIPH_L06_P185" (solid, remove dead copper, pour order 185): 59.425,39.95 60.75,39.95 60.75,39.225 59.425,39.225
FMU_VDD_3V3 on Bottom Layer "FMU_VDD_3V3_L06_P252" (solid, remove dead copper, pour order 252): 49.15,31 50.525,31 50.525,30.225 50.525,29.775 49.9,29.775 49.9,30.35 49.15,30.35
VDD_5V_HIPOWER on Bottom Layer "VDD_5V_HIPOWER_L06_P233" (solid, remove dead copper, pour order 233): 52.2,13.35 53.3,13.35 53.3,13.025 52.775,12.35 52.225,12.35 52.2,12.375
IO_VDD_3V3 on Bottom Layer "IO_VDD_3V3_L06_P222" (solid, remove dead copper, pour order 222): 38.9,19.7 38.9,15.6 36.95,15.6 36.95,17.7 38.65,19.4 38.65,19.7
VDD_5V_HIPOWER on Bottom Layer "VDD_5V_HIPOWER_L06_P205" (solid, remove dead copper, pour order 205): 8.8,32.75 9.8,32.75 9.8,31.25 8.8,31.25
VDD_3V3_SPEKTRUM on Signal Layer 4 "VDD_3V3_SPEKTRUM_L04_P273" (solid, pour order 273): 3.2,32.2 4.8,32.2 4.8,31.2 3.2,31.2
VBUS on Signal Layer 4 "Signal Layer 4-VBUS" (solid, pour order 264): 14.85,36.35 14.85,34.5 19.7,34.5 19.7,36.35
VDD_5V_IN on Signal Layer 4 "VDD_5V_IN_L04_P189" (solid, remove dead copper, pour order 189): 67.3,20.1 72.3,20.1 74,21.8 74,31.4 73.325,32.075 67.635,32.075 67.3,31.641
ETH_VDD_3V3 on Signal Layer 4 "ETH_VDD_3V3_L04_P271" (solid, pour order 271): 20.4,16.8 21.4,16.8 21.4,15.2 20.4,15.2
FMU_VDD_3V3 on Signal Layer 4 "FMU_VDD_3V3_L04_P239" (solid, remove dead copper, pour order 239): 49.625,30.677 49.862,30.95 50.325,30.95 50.601,30.674 50.59,29.99 50.35,29.75 49.875,29.75 49.625,30
VDD_5V_IN on Signal Layer 4 "VDD_5V_IN_L04_P223" (solid, remove dead copper, pour order 223): 65.9,16.768 67,16.768 67,15.567 65.9,15.567
VDD_5V_PERIPH on Signal Layer 4 "VDD_5V_PERIPH_L04_P196" (solid, remove dead copper, pour order 196): 65.625,11.4 66.625,11.4 66.625,8.4 65.625,8.4
IO_VDD_3V3 on Signal Layer 4 "Signal Layer 4-IO_VDD_3V3" (solid, pour order 260): 39.675,3.2 39.675,4.225 41.15,4.225 41.15,3.2
VDD_5V_PERIPH on Signal Layer 4 "VDD_5V_PERIPH_L04_P200" (solid, remove dead copper, pour order 200): 59.3,40.1 60.9,40.1 60.9,39.1 59.3,39.1
ETH_VDD_3V3 on Signal Layer 4 "Signal Layer 4-ETH_VDD_IO_3V3" (solid, pour order 238): 31.3,2.301 30.6,2.301 30.6,3.293 31.3,3.293
IO_VDD_3V3 on Signal Layer 4 "IO_VDD_3V3_L04_P234" (solid, remove dead copper, pour order 234): 46.475,12.625 47.475,12.625 47.475,11.3 46.475,11.3
IO_VDD_3V3 on Signal Layer 4 "IO_VDD_3V3_L04_P243" (solid, remove dead copper, pour order 243): 36.05,27.2 37.4,27.2 37.4,26.225 36.05,26.225
VDD_5V_HIPOWER on Signal Layer 4 "VDD_5V_HIPOWER_L04_P245" (solid, remove dead copper, pour order 245): 53.325,13.6 53.325,12.6 52.237,12.6 52.237,13.575 52.212,13.6
IO_VDD_3V3 on Signal Layer 4 "IO_VDD_3V3_L04_P235" (solid, remove dead copper, pour order 235): 46.475,19.375 46.475,20.625 47.475,20.625 47.475,19.375
IO_VDD_3V3 on Signal Layer 4 "IO_VDD_3V3_L04_P230" (solid, remove dead copper, pour order 230): 38.45,18.65 38.45,17.35 37.45,17.35 37.45,18.65
VDD_3V3_SPEKTRUM on Signal Layer 4 "VDD_3V3_SPEKTRUM_L04_P215" (solid, remove dead copper, pour order 215): 40.45,3.075 41.575,3.075 41.575,2.075 40.45,2.075
VDD_5V_PERIPH on Signal Layer 4 "VDD_5V_PERIPH_L04_P207" (solid, remove dead copper, pour order 207): 7.9,23.2 6.95,23.2 6.9,23.25 6.9,24.4 7.9,24.4
VDD_5V_PERIPH on Signal Layer 4 "VDD_5V_PERIPH_L04_P203" (solid, remove dead copper, pour order 203): 10.05,33.35 11.05,33.35 11.05,31.65 10.05,31.65
VDD_5V_HIPOWER on Signal Layer 4 "VDD_5V_HIPOWER_L04_P201" (solid, remove dead copper, pour order 201): 62.225,37.25 63.225,37.25 63.225,36 62.225,36
VDD_5V_IN on Signal Layer 4 "VDD_5V_IN_L04_P197" (solid, remove dead copper, pour order 197): 66,43.9 67.9,43.9 67.9,42.9 66,42.9
GND on Top Layer "GND_L01_P272" (solid, remove dead copper, pour order 272): 0,0 88,0 88,47 0,47
IO_VDD_3V3 on Top Layer "IO_VDD_3V3_L01_P213" (solid, remove dead copper, pour order 213): 44.8,2.503 43.782,2.493 43.275,3 42.169,3 41.922,3.247 39.675,3.268 39.675,4.025 40.203,5.351 41.044,5.349 41.975,4.025 43.775,4.025 44.625,2.75 44.8,2.75
VDD_5V_BRICK2 on Top Layer "VDD_5V_BRICK2_L01_P195" (solid, remove dead copper, pour order 195): 75.463,24.962 76.5,26 76.5,29.815 75.475,30.825 75.475,34.596 73.71,36.45 69.869,36.45 69.869,37.025 68.475,37.025 68.475,34.95 69.869,34.95 72.671,30.526 72.671,27.7 71.825,27.7 67.95,23.825 67.95,23.1 68.15,22.875 73.375,22.875
VDD_5V_HIPOWER on Top Layer "VDD_5V_HIPOWER_L01_P191" (solid, remove dead copper, pour order 191): 64.418,35.943 64.53,36.055 64.53,40.97 64.4,41.1 63.2,41.1 62.234,40.134 62.234,36.366 62.657,35.943
ETH_VDD_3V3 on Top Layer "ETH_VDD_3V3_L01_P268" (solid, pour order 268): 20.4,16.7 21.4,16.7 21.4,15.2 20.4,15.2
VDD_5V_BRICK1 on Top Layer "VDD_5V_BRICK1_L01_P194" (solid, remove dead copper, pour order 194): 70.1,19.15 70.425,18.825 70.425,15.3 70.025,14.9 67.4,14.9 67,15.3 67,18.728 67.428,19.15
VDD_5V_PERIPH on Top Layer "VDD_5V_PERIPH_L01_P193" (solid, remove dead copper, pour order 193): 65.425,11.775 65.9,11.775 66.65,11.108 66.65,6.95 65.425,6.95
ETH_VDD_3V3 on Top Layer "ETH_VDD_3V3_L01_P227" (solid, remove dead copper, pour order 227): 33.257,3.793 33.525,3.525 34.525,3.525 34.525,3.225 33.525,3.225 33.125,2.825 32,2.825 31.437,2.3 30.7,2.3 30.35,2.555 30.35,3.114 31.185,3.793
FMU_VDD_3V3 on Top Layer "FMU_VDD_3V3_L01_P237" (solid, remove dead copper, pour order 237): 50.439,30.016 50.253,29.83 50.022,29.83 49.881,29.971 49.881,30.776 50.026,30.921 50.279,30.921 50.611,30.589 51.5,30.589 51.5,30.016
IO_VDD_3V3 on Top Layer "IO_VDD_3V3_L01_P232" (solid, remove dead copper, pour order 232): 36.05,27.2 37.4,27.2 37.4,26.2 36.05,26.2
IO_VDD_3V3 on Top Layer "IO_VDD_3V3_L01_P231" (solid, remove dead copper, pour order 231): 37.45,18.65 38.45,18.65 38.45,17.25 37.45,17.25
ETH_VDD_5V on Top Layer "ETH_VDD_5V_L01_P226" (solid, remove dead copper, pour order 226): 35.3,1.05 37.25,1.05 37.25,3.025 36.525,3.025 35.775,3.025 35.3,2.194
IO_VDD_5V on Top Layer "IO_VDD_5V_L01_P211" (solid, remove dead copper, pour order 211): 45.975,1.475 46.483,2.25 47.155,2.25 47.568,2.95 48.275,2.95 48.275,0.4 45.35,0.4 45.35,0.7 45.975,0.9
VDD_5V_PERIPH on Top Layer "VDD_5V_PERIPH_L01_P204" (solid, remove dead copper, pour order 204): 6.9,24.6 7.9,24.6 7.9,23.2 6.9,23.2
VDD_5V_IN on Top Layer "VDD_5V_IN_L01_P192" (solid, remove dead copper, pour order 192): 66.9,16.8 67.2,16.5 67.2,16 66.8,15.6 66.8,13.2 66.5,12.9 65.4,12.9 65.4,16.05 65.9,16.8
VDD_5V_IN on Top Layer "VDD_5V_IN_L01_P190" (solid, remove dead copper, pour order 190): 64.55,30.95 64.4,30.8 63.3,30.8 63.15,30.954 63.15,34.35 63.527,34.727 64.473,34.727 64.55,34.649
IO_VDD_3V3 on Top Layer "Top Layer-IO_VDD_3V3 1" (solid, pour order 242): 46.475,11.075 47.475,11.075 47.475,12.65 46.475,12.65
IO_VDD_3V3 on Top Layer "Top Layer-IO_VDD_3V3" (solid, pour order 258): 46.475,12.625 47.475,12.625 47.475,11.3 46.475,11.3
VDD_5V_PERIPH on Top Layer "VDD_5V_PERIPH_L01_P184" (solid, remove dead copper, pour order 184): 60.75,39.95 60.75,39.225 59.425,39.225 59.425,39.95
VDD_5V_IN on Top Layer "VDD_5V_IN_L01_P183" (solid, remove dead copper, pour order 183): 55.7,24.6 56.2,24.1 56.2,23.7 55.702,23.202 53.9,23.202 53.9,24.6
VDD_3V3_SPEKTRUM on Top Layer "VDD_3V3_SPEKTRUM_L01_P212" (solid, remove dead copper, pour order 212): 41,3.1 41.75,3.1 42.043,2.807 43.118,2.807 43.45,2.475 44.8,2.25 44.8,2 44.613,2 43.75,1.775 43.225,1.775 42.65,1.2 41,1.2
GND on Layer 2 "GND_L02_P186" (solid, remove dead copper, pour order 186): 0,0 0,47 88,47 88,0
GND on Layer 5 "GND_L05_P187" (solid, remove dead copper, pour order 187): 0,0 0,47 88,47 88,0

## Other copper
Top Layer:
  pour cut-out: 30.1,18.3 24.7,18.3 24.7,28.6 30.1,28.6
  pour cut-out: 10.9,24.6 13.6,27.3 13.6,37.6 4.013,37.6 4.013,34.3 6.4,34.3 6.9,33.8 6.9,33.2 6.3,32.6 4.013,32.6 4.013,24.6
  pour cut-out: 20.36,5.7 27.1,5.7 27.1,2.556 20.36,2.556
  pour cut-out: 54.92,6 56.82,7.9 62,7.9 62,4.056 54.92,4.056
  pour cut-out: 51.42,46.556 54.42,46.556 54.42,41.056 51.42,41.056
  pour cut-out: 39.9,46.6 42.9,46.6 42.9,41.1 39.9,41.1
  pour cut-out: 18.6,16.35 23.4,16.35 23.4,8.6 17.6,8.6 16.7,9.5 16.3,9.5 16.3,3.7 13.2,3.7 12.3,4.6 9.6,4.6 8.7,3.7 5.4,3.7 3.9,5.2 3.9,19.4 5,20.5 14.4,20.5 16.4,18.5 18.6,18.5
Layer 2:
  pour cut-out: 18.6,18.5 18.6,14 16.4,14 16.4,18.5
Layer 5:
  pour cut-out: 18.6,18.5 18.6,13.9 16.4,13.9 16.4,18.5
Bottom Layer:
  pour cut-out: 26.313,41.1 27.4,41.1 27.6,40.9 27.6,38.5 29.5,38.5 29.5,42.8 26.313,42.8
  pour cut-out: 42.3,41.2 44.5,43.4 44.5,46.6 37.095,46.6 37.095,41.2
  pour cut-out: 49.764,41.8 49.764,46.548 58.1,46.548 58.1,41.8
  pour cut-out: 71.451,29.9 71.451,37.603 76,37.603 76,29.9
  pour cut-out: 60.8,36.9 60.8,42.923 69.368,42.923 69.368,38.368 67.9,36.9
  pour cut-out: 76.8,10.4 76.8,4.415 64.588,4.415 64.588,10.4
  pour cut-out: 58.5,9.8 59.7,8.6 59.7,4.477 50.832,4.477 50.832,9.032 51.6,9.8
  pour cut-out: 43.5,11.2 44,10.7 44,4 39.475,4 39.475,10.375 40.3,11.2
  pour cut-out: 32.2,12 32.6,11.6 32.6,4 26.875,4 26.875,9.2 29.675,12
  pour cut-out: 4.1,38.6 4.1,33.1 4.2,33 10.3,33 11.3,34 11.3,36.6 9.3,38.6
  pour cut-out: 16.4,9 12.4,9 8.9,5.5 5.9,5.5 4.1,7.3 4.1,26.8 4.3,27 9.1,27 15.6,33.5 27.3,33.5 33.1,27.7 33.1,17.2 31.6,15.7 18.6,15.7 18.6,4.1 16.4,4.1

## Silkscreen, mask and mechanical layers (free items; w line width, h text height)
Top Overlay:
  circle w0.1: c2.5,2.5 r2.2
  circle w0.1: c2.5,44.5 r2.2
  circle w0.1: c75,44.5 r2.2
  region: 71.65,21.7 71.65,23.6 74.55,23.6 74.55,21.7
  lines w0.2: 33.8,6.5 23.6,6.5 cw(c23.6,8.8) 21.3,8.8 21.3,38.2 cw(c23.6,38.2) 23.6,40.5 60,40.5 cw(c60,38.2) 62.3,38.2 62.3,14 ; 36.375,6.5 60,6.5 ccw(c60,8.8) 62.3,8.8 62.3,11.7 ; 23.8,11.3 ccw(c26.1,11.3) 26.1,9 57.5,9 ccw(c57.5,11.3) 59.8,11.3 59.8,35.7 ccw(c57.5,35.7) 57.5,38 26.1,38 ccw(c26.1,35.7) 23.8,35.7 23.8,11.3
  lines w0.6: 13.1,28 18.475,28 ; 13.1,28.025 14.6,27.275 14.6,28.775 13.1,28.025
  text "CAN1" at 48.5,44.8 h0.9 r180
  text "CAN2" at 61.5,44.8 h1 r180
  text "-" at 79.15,44.625 h1 r90
  text "+" at 81.725,44.625 h1 r90
  text "S" at 84.3,44.625 h1 r90
  text "USB" at 24.2,44.1 h1 r180
  text "IO / CH1" at 77.65,39.635 h0.9 r90
  text "SBUS_IN" at 11.9,37.45 h1 r270
  text "USB" at 20.7,36.825 h1 r180
  text "PAB X1" at 49.6,35.775 h1
  text "PAB X2" at 24.45,30.8 h1
  text "BRICK2" at 61.625,30.775 h1 r90
  text "PPM_IN" at 10.5,30.375 h1 r270
  text "IO / CH8" at 77.55,24.435 h0.9 r90
  text "NXP FMUVxX  / BASE-T1" at 62.6,23.8 h1
  text "725001-01" at 62.7,21.9 h1
  text "FMU / CH1" at 77.5,19.55 h0.9 r90
  text "GPS1" at 9.25,17 h1 r270
  text "BRICK1" at 61.35,11.375 h1 r90
  text "CAN3" at 9.1,7.2 h1
  text "FMU / CH8" at 77.5,3.1 h0.9 r90
  text "EXT 2" at 66,2.3 h1
  text "-" at 79.35,1.8 h1 r90
  text "+" at 81.925,1.8 h1 r90
  text "S" at 84.5,1.8 h1 r90
Bottom Overlay:
  circle w0.1: c2.5,2.5 r2.2
  circle w0.1: c2.5,44.5 r2.2
  circle w0.1: c75,44.5 r2.2
  text "-" at 79.2,45.5 h1 r90
  text "+" at 81.775,45.5 h1 r90
  text "S" at 84.35,45.5 h1 r90
  text "IO / CH1" at 87.65,44.115 h0.9 r90
  text "1" at 77.35,42.3 h1 r90
  text "ADIO" at 60.2,38.1 h1 r180
  text "3" at 86.705,37.9 h1 r90
  text "I2C EXT2" at 28.475,36.325 h1 r180
  text "J20" at 86.7,35.075 h1 r90
  text "GPS2" at 12.3,34.1 h1 r270
  text "6" at 86.705,30.2 h1 r90
  text "8" at 77.5,25.6 h1 r90
  text "SBUS_OUT" at 10.5,24.8 h1 r270
  text "IO / CH8" at 87.75,24.165 h0.9 r90
  text "1" at 77.3,22 h1 r90
  text "FMU / CH1" at 87.75,20.8 h0.9 r90
  text "3" at 86.705,17.525 h1 r90
  text "SPI" at 13.7,15.2 h1 r270
  text "J25" at 86.7,14.825 h1 r90
  text "6" at 86.705,9.95 h1 r90
  text "FMU" at 69.3,9.45 h1
  text "IO" at 50.95,8.95 h1
  text "TELEM1" at 44.4,6.575 h1
  text "TELEM2" at 32.575,6.4 h1
  text "FMU / CH8" at 87.75,5.45 h0.9 r90
  text "8" at 77.3,4.75 h1 r90
  text "-" at 79.075,2.375 h1 r90
  text "+" at 81.65,2.375 h1 r90
  text "S" at 84.225,2.375 h1 r90
  text "ETHERNET" at 14,0.9 h1
Mechanical 1 Board:
  the board outline again, w0.125
Mechanical 3 Dimensions:
  the board outline again, w0.2

## Dimensions
2.5,47 to 2.5,0 on Mechanical 3 Dimensions
0,2.5 to 88,2.5 on Mechanical 3 Dimensions

## Text inside footprints (layer, text, board x,y; h text height)
Q1: Bottom Designator (Mech26) "G" at 11.125,6.65 h0.76; Bottom Designator (Mech26) "S" at 10.325,3.45 h0.76 r180; Bottom Designator (Mech26) "D" at 8.325,5.625 h0.76